# Altium PCB DAC_Sources_REV2.PcbDoc (part 6 of 9)
Units mil, origin at the board's own origin, x right, y up, seen from the top; angles counter-clockwise.
Board outline 10905.51 x 5393.7 mil, 8 copper layers (Top Layer, GND_02, SIG_03, PWR_04, PWR_05, SIG_06, GND_07, Bottom Layer), stack 65.69 mil thick; 663 components, 464 nets, 2338 pads, 2140 vias.
Unrouted connection lines stored in the file: 515.
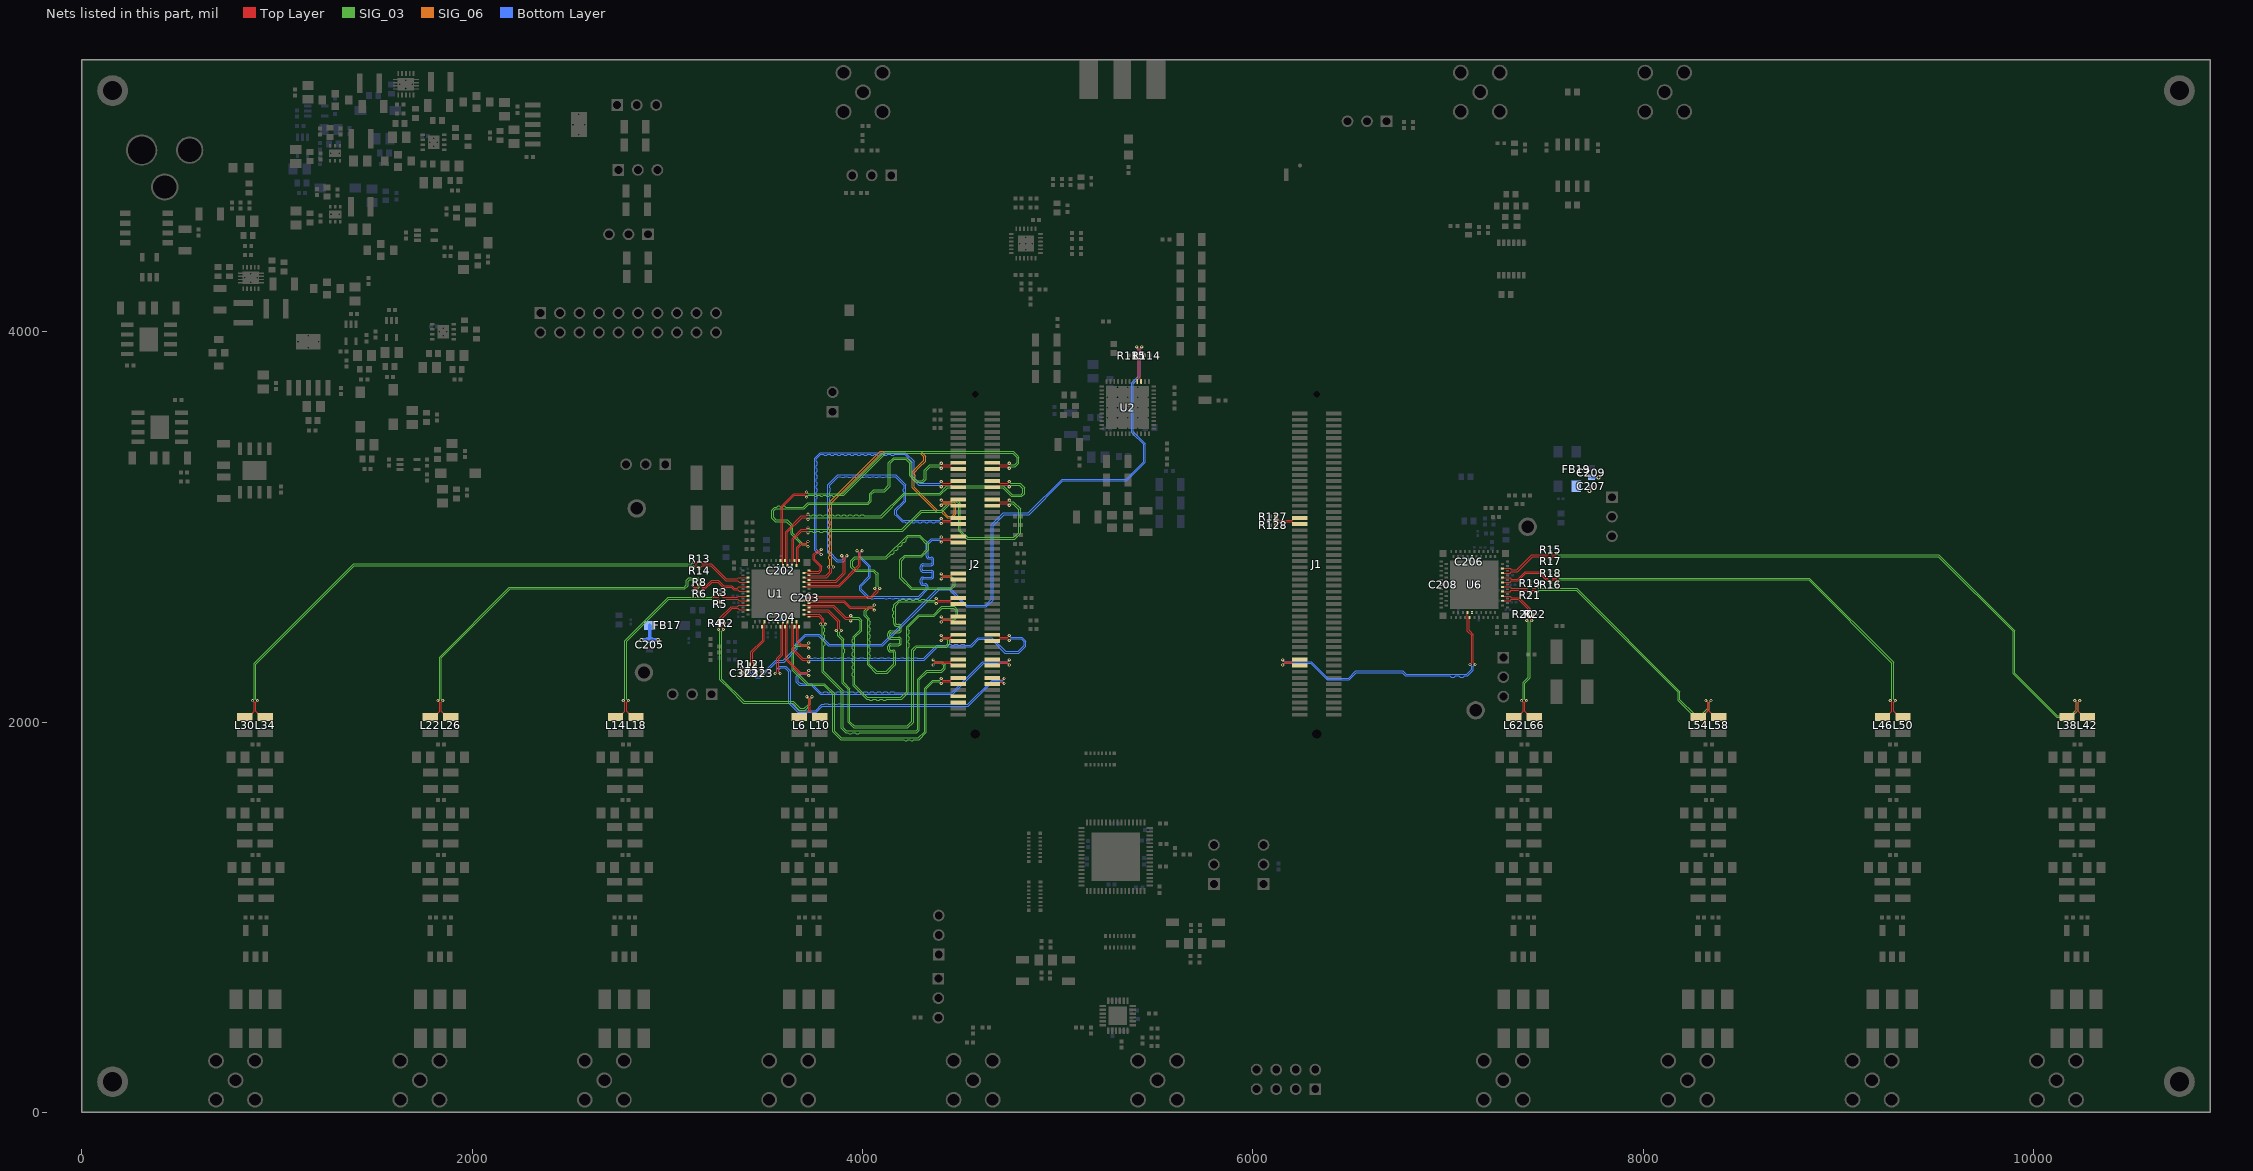
[diagram p12: the nets of this part, all layers, seen from the top]

## Via types
v1: diameter 16, hole 8, Top Layer to Bottom Layer, tented both sides, 1452 vias
v2: diameter 20, hole 10, Top Layer to Bottom Layer, tented both sides, 509 vias
v3: diameter 10, hole 6, Top Layer to Bottom Layer, tented both sides, 65 vias
v4: diameter 23.62, hole 11.81, Top Layer to Bottom Layer, tented top, 59 vias
v5: diameter 24, hole 12, Top Layer to Bottom Layer, tented top, 34 vias
v6: diameter 24, hole 12, Top Layer to Bottom Layer, tented both sides, 15 vias
v7: diameter 23.62, hole 11.81, Top Layer to Bottom Layer, tented both sides, 4 vias
v8: diameter 78.74, hole 39.37, Top Layer to Bottom Layer, tented both sides, 2 vias

## Nets (pads, with @x,y where several pads share a name; then routed paths per layer and width w, separated by ;. In a path a pad name is that pad's centre, name@x,y a point inside that pad or via, vN(x,y) a via of type N, cw(c..) or ccw(c..) an arc to the next point about the centre after c; other vN are vias at no path point) (continued)
GPIO0: J2.94
GPIO1: J2.96
IOUT1A_N: L10.1 R4.2 U1.B38 | length 1224.9
  Top Layer w5: v1(3261.41,2475.2) 3269.91,2483.7 3269.91,2492.69 R4.2@3255.51,2507.09 3269.91,2521.48 3269.91,2533.82 3327.91,2591.82 3358.75,2591.82 3366.06,2599.13 U1.B38@3412.6,2599.13 ; v1(3741.38,2130) 3732.88,2121.5 3732.88,2055.91 3759.29,2029.5 3778.38,2029.5 L10.1@3780.88,2027
  SIG_03 w4: v1(3261.41,2475.2) 3269.91,2466.7 3269.91,2216.97 3313.71,2173.16 3389.97,2096.91 3641.68,2096.91 3671.84,2066.74 3677.11,2061.47 3706.08,2061.47 3732.88,2088.27 3732.88,2119.5 v1@3741.38,2128
IOUT1A_P: L6.2 R2.2 U1.B39 | length 1180.1
  Top Layer w5: v1(3287.41,2475.2) 3278.91,2483.7 3278.91,2492.69 R2.2@3293.31,2507.09 3278.91,2521.48 3278.91,2530.09 3331.64,2582.82 3360.44,2582.82 3367.76,2575.51 U1.B39@3412.6,2575.51 ; L6.2@3675.88,2027 3678.38,2029.5 3697.48,2029.5 3723.88,2055.91 3723.88,2121.5 v1(3715.38,2130)
  SIG_03 w4: v1(3287.41,2475.2) 3278.91,2466.7 3278.91,2220.7 3393.7,2105.91 3645.41,2105.91 3680.84,2070.47 3702.35,2070.47 3723.88,2092 3723.88,2119.5 v1@3715.38,2128
IOUT1B_N: L18.1 R5.2 U1.B37 | length 1159.9
  Top Layer w5: v1(2800.26,2110) 2791.76,2101.5 2791.76,2055.91 2818.17,2029.5 2837.26,2029.5 L18.1@2839.76,2027 ; v1(3235.83,2621.57) 3244.33,2630.07 3259.84,2630.07 3267.58,2622.33 3267.58,2618.17 R5.2@3270.08,2615.67 3284.48,2630.07 3300.21,2630.07 3360.44,2630.07 3367.76,2622.76 U1.B37@3412.6,2622.76
  SIG_03 w4: v1(2800.26,2110) 2791.76,2118.5 2791.76,2414.08 3007.76,2630.07 3227.33,2630.07 v1(3235.83,2621.57)
IOUT1B_P: L14.2 R3.2 U1.B36 | length 1174.8
  Top Layer w5: L14.2@2734.76,2027 2737.26,2029.5 2756.36,2029.5 2782.76,2055.91 2782.76,2101.5 v1(2774.26,2110) ; v1(3235.83,2647.57) 3244.33,2639.07 3259.84,2639.07 3267.58,2646.8 3267.58,2650.96 R3.2@3270.08,2653.46 3284.48,2639.07 3351.18,2639.07 3358.75,2639.07 3366.06,2646.38 U1.B36@3412.6,2646.38
  SIG_03 w4: v1(2774.26,2110) 2782.76,2118.5 2782.76,2417.8 3004.03,2639.07 3227.33,2639.07 v1(3235.83,2647.57)
IOUT1C_N: L26.1 R8.2 U1.B34 | length 2243.3
  Top Layer w5: v1(1850.38,2110) 1841.88,2101.5 1841.88,2055.91 1868.29,2029.5 1887.38,2029.5 L26.1@1889.88,2027 ; v1(3128.74,2700.01) 3137.24,2691.51 3150.56,2691.51 R8.2@3164.96,2705.91 3179.36,2691.51 3191.77,2691.51 3226.59,2726.32 3261.87,2726.32 3288.58,2699.61 3330.8,2699.61 3344.09,2686.31 3358.75,2686.31 3366.06,2693.62 U1.B34@3412.6,2693.62
  SIG_03 w4: v1(1850.38,2110) 1841.88,2118.5 1841.88,2330.07 2194.32,2682.51 3089.99,2682.51 3106.69,2699.21 3106.69,2722.83 3114.17,2730.31 3155.91,2730.31 3158.27,2727.95 3165.35,2720.87 3165.35,2704.72 3152.14,2691.51 3137.24,2691.51 v1(3128.74,2700.01)
IOUT1C_P: L22.2 R6.2 U1.B35 | length 2288
  Top Layer w5: L22.2@1784.88,2027 1787.38,2029.5 1806.48,2029.5 1832.88,2055.91 1832.88,2101.5 v1(1824.38,2110) ; v1(3128.74,2674.01) 3137.24,2682.51 3150.56,2682.51 R6.2@3164.96,2668.11 3179.36,2682.51 3195.5,2682.51 3230.31,2717.32 3258.14,2717.32 3284.85,2690.61 3327.07,2690.61 3340.37,2677.31 3360.44,2677.31 3367.76,2670 U1.B35@3412.6,2670
  SIG_03 w4: v1(1824.38,2110) 1832.88,2118.5 1832.88,2333.8 2185.39,2686.31 2190.59,2691.51 3086.26,2691.51 3097.69,2702.94 3097.69,2726.56 3110.45,2739.31 3159.63,2739.31 3174.35,2724.59 3174.35,2701 3155.87,2682.51 3137.24,2682.51 v1(3128.74,2674.01)
IOUT1D_N: L34.1 R14.2 U1.B33 | length 3093
  Top Layer w5: v1(900.5,2110) 892,2101.5 892,2055.91 918.41,2029.5 937.5,2029.5 L34.1@940,2027 ; v1(3134.25,2793.69) 3142.75,2802.19 3150.56,2802.19 3160.37,2792.38 3161.16,2792.38 3164.96,2788.58 R14.2@3164.96,2787.8 3179.31,2802.14 ; 3179.26,2802.19 3221.69,2802.19 3299.33,2724.56 3360.44,2724.56 3367.76,2717.24 U1.B33@3412.6,2717.24
  SIG_03 w4: v1(900.5,2110) 892,2118.5 892,2297.64 1396.56,2802.19 3125.75,2802.19 v1(3134.25,2793.69)
IOUT1D_P: L30.2 R13.2 U1.B32 | length 3107.9
  Top Layer w5: L30.2@835,2027 837.5,2029.5 856.59,2029.5 883,2055.91 883,2101.5 v1(874.5,2110) ; v1(3134.25,2819.69) 3142.75,2811.19 3150.56,2811.19 3160.37,2821 3161.16,2821 3164.96,2824.8 R13.2@3164.96,2825.59 3179.36,2811.19 3225.42,2811.19 3303.06,2733.56 3358.75,2733.56 3366.06,2740.87 U1.B32@3412.6,2740.87
  SIG_03 w4: v1(874.5,2110) 883,2118.5 883,2301.37 1315.19,2733.56 1357.96,2776.32 1392.83,2811.19 3125.75,2811.19 v1(3134.25,2819.69)
IOUT2A_N: L42.1 R17.2 U6.B38 | length 3659
  Top Layer w5: U6.B38@7278.74,2763.78 7318.11,2763.78 7325.42,2771.09 7356.65,2771.09 7434.29,2848.73 7511.98,2848.73 R17.2@7526.38,2834.33 7528.88,2836.83 7528.88,2844.54 7533.07,2848.73 7548.59,2848.73 v1(7557.09,2840.23) ; v1(10237.44,2110) 10228.94,2101.5 10228.94,2055.91 10255.35,2029.5 L42.1@10274.44,2029.5
  SIG_03 w4: v1(7557.09,2840.23) 7565.59,2848.73 9511.51,2848.73 9895.72,2464.51 9895.72,2247.85 10118.71,2024.86 10193.49,2024.86 10228.94,2060.31 10228.94,2101.5 v1(10237.44,2110)
IOUT2A_P: L38.2 R15.2 U6.B39 | length 3644.1
  Top Layer w5: U6.B39@7278.74,2787.4 7318.11,2787.4 7325.42,2780.09 7352.93,2780.09 7430.56,2857.73 7511.98,2857.73 R15.2@7526.38,2872.13 7528.88,2869.63 7528.88,2861.92 7533.07,2857.73 7548.59,2857.73 v1(7557.09,2866.23) ; L38.2@10174.44,2029.5 10193.54,2029.5 10219.94,2055.91 10219.94,2101.5 v1(10211.44,2110)
  SIG_03 w4: v1(7557.09,2866.23) 7565.59,2857.73 9515.24,2857.73 9904.72,2468.24 9904.72,2251.57 10122.44,2033.86 10189.76,2033.86 10219.94,2064.04 10219.94,2101.5 v1(10211.44,2110)
IOUT2B_N: L50.1 R18.2 U6.B37 | length 2551.6
  Top Layer w5: U6.B37@7278.74,2740.16 7318.11,2740.16 7325.42,2732.85 7357.26,2732.85 7395.67,2771.26 7470.72,2771.26 7503.94,2738.04 7511.98,2738.04 R18.2@7526.38,2752.44 7528.88,2749.94 7528.88,2746.57 7537.4,2738.04 7554.1,2738.04 v1(7562.6,2746.54) ; v1(9292.56,2110) 9284.06,2101.5 9284.06,2055.91 9310.47,2029.5 L50.1@9329.56,2029.5
  SIG_03 w4: v1(7562.6,2746.54) 7571.1,2738.04 8852.24,2738.04 9284.06,2306.22 9284.06,2118.5 v1(9292.56,2110)
IOUT2B_P: L46.2 R16.2 U6.B36 | length 2536.7
  Top Layer w5: U6.B36@7278.74,2716.54 7318.11,2716.54 7325.42,2723.85 7360.98,2723.85 7399.4,2762.26 7466.99,2762.26 7500.21,2729.04 7511.98,2729.04 R16.2@7526.38,2714.65 7528.88,2717.15 7528.88,2720.52 7537.4,2729.04 7554.1,2729.04 v1(7562.6,2720.54) ; L46.2@9229.56,2029.5 9248.66,2029.5 9275.06,2055.91 9275.06,2101.5 v1(9266.56,2110)
  SIG_03 w4: v1(7562.6,2720.54) 7571.1,2729.04 8848.52,2729.04 9275.06,2302.5 9275.06,2118.5 v1(9266.56,2110)
IOUT2C_N: L58.1 R21.2 U6.B34 | length 1549.9
  Top Layer w5: U6.B34@7278.74,2669.29 7318.11,2669.29 7325.42,2676.6 7406.86,2676.6 R21.2@7421.26,2662.2 7423.76,2664.7 7423.76,2666.9 7433.46,2676.6 7447.01,2676.6 v1(7455.51,2668.1) ; v1(8347.68,2110) 8339.18,2101.5 8339.18,2055.91 8365.59,2029.5 L58.1@8384.68,2029.5
  SIG_03 w4: v1(7455.51,2668.1) 7464.01,2676.6 7656.13,2676.6 8179.58,2153.15 8179.58,2110.84 8257.3,2033.13 8305.7,2033.13 8339.18,2066.61 8339.18,2101.5 v1(8347.68,2110)
IOUT2C_P: L54.2 R19.2 U6.B35 | length 1535
  Top Layer w5: U6.B35@7278.74,2692.91 7318.11,2692.91 7325.42,2685.6 7406.86,2685.6 R19.2@7421.26,2700 7423.76,2697.5 7423.76,2695.31 7433.46,2685.6 7447.01,2685.6 v1(7455.51,2694.1) ; L54.2@8284.68,2029.5 8303.78,2029.5 8330.18,2055.91 8330.18,2101.5 v1(8321.68,2110)
  SIG_03 w4: v1(7455.51,2694.1) 7464.01,2685.6 7659.86,2685.6 8188.58,2156.88 8188.58,2114.57 8261.02,2042.13 8301.97,2042.13 8330.18,2070.34 8330.18,2101.5 v1(8321.68,2110)
IOUT2D_N: L66.1 R22.2 U6.B33 | length 795.3
  Top Layer w5: U6.B33@7278.74,2645.67 7318.11,2645.67 7325.42,2638.36 7364.75,2638.36 7421.43,2581.68 7421.43,2568.02 R22.2@7435.83,2553.62 7433.33,2551.12 7428.06,2551.12 7421.43,2544.49 7421.43,2530.23 v1(7429.93,2521.73) ; v1(7402.8,2110) 7394.3,2101.5 7394.3,2055.91 7420.7,2029.5 7439.8,2029.5 L66.1@7442.3,2027
  SIG_03 w4: v1(7402.8,2110) 7394.3,2118.5 7394.3,2199.68 7421.43,2226.81 7421.43,2513.23 v1(7429.93,2521.73)
IOUT2D_P: L62.2 R20.2 U6.B32 | length 780.4
  Top Layer w5: U6.B32@7278.74,2622.05 7318.11,2622.05 7325.42,2629.36 7361.02,2629.36 7412.43,2577.95 7412.43,2568.02 R20.2@7398.03,2553.62 7400.53,2551.12 7405.8,2551.12 7412.43,2544.49 7412.43,2530.23 v1(7403.93,2521.73) ; L62.2@7337.3,2027 7339.8,2029.5 7358.89,2029.5 7385.3,2055.91 7385.3,2101.5 v1(7376.8,2110)
  SIG_03 w4: v1(7376.8,2110) 7385.3,2118.5 7385.3,2203.41 7412.43,2230.54 7412.43,2513.23 v1(7403.93,2521.73)
IOVDD_DAC1: C202.1 C203.1 C204.1 C205.1 FB17.2 U1.A17 U1.B6 U1.B25 | length 225.5
  Bottom Layer w10: v3(3568.11,2514.49) 3580,2526.38 C204.1@3583.07,2526.38 ; v3(3568.11,2801.89) 3581.5,2788.5 C202.1@3581.5,2786.61 ; C203.1@3717.87,2637.8 3718.66,2637.8 3719.96,2639.09 3719.96,2639.88 3725.59,2645.51 v3(3725.59,2658.19)
  Bottom Layer w20: v2(2867.32,2420.47) C205.1@2909.84,2420.47 ; FB17.2@2909.84,2495.67 C205.1@2909.84,2420.47 ; v2(2951.97,2420.08) C205.1@2909.45,2420.08 C205.1@2909.84,2420.47
IOVDD_DAC2: C206.1 C207.1 C208.1 C209.1 FB19.2 U6.A17 U6.B6 U6.B25 | length 83.1
  Bottom Layer w10: C206.1@7108.27,2833.07 7108.27,2833.46 v3(7123.23,2848.43) ; v2(7724.41,3183.46) C207.1@7724.41,3208.66 ; C209.1@7734.65,3254.72 7734.84,3254.53 7770.67,3254.53 v2(7770.87,3254.33)
  other v3: 7123.23,2561.02 6965.75,2704.72
JX1_D0_DAC1_N: J2.19 U1.A27 | length 1823
  Top Layer w5: U1.A27@3579.92,2827.48 3582.34,2829.9 3582.34,2835.39 3582.73,2835.78 3582.73,3106.7 3646.67,3170.63 3704.89,3170.63 v1(3713.39,3179.13) ; J2.19@4664.37,3297.91 4693.9,3297.91 4701.24,3305.26 4701.24,3305.96 4704.44,3309.16 4743.35,3309.16 v1(4751.85,3300.66)
  SIG_03 w4: v1(3713.39,3179.13) 3721.89,3170.63 3834.64,3170.63 3899.77,3170.63 4116.42,3387.28 4773.08,3387.28 4792.19,3368.17 ; v1(4751.85,3300.66) 4760.35,3309.16 4783.65,3309.16 4801.91,3327.42 4801.91,3358.45 4792.19,3368.17
JX1_D0_DAC1_P: J2.17 U1.B24 | length 1820.5
  Top Layer w5: U1.B24@3591.73,2801.89 3591.73,3102.97 3650.39,3161.63 3704.89,3161.63 v1(3713.39,3153.13) ; J2.17@4664.37,3329.41 4693.9,3329.41 4701.24,3322.07 4701.24,3321.2 4704.28,3318.16 4743.35,3318.16 v1(4751.85,3326.66)
  SIG_03 w4: v1(3713.39,3153.13) 3721.89,3161.63 3750.11,3161.63 3755.46,3156.28 3763.89,3156.28 3769.24,3161.63 3781.21,3161.63 3786.56,3156.28 3794.99,3156.28 3800.34,3161.63 3812.31,3161.63 3817.66,3156.28 3826.09,3156.28 3831.44,3161.63 3843.41,3161.63 3848.76,3156.28 3857.19,3156.28 3862.54,3161.63 3903.5,3161.63 4120.14,3378.28 4769.36,3378.28 4779.46,3368.17 ; v1(4751.85,3326.66) 4760.35,3318.16 4779.92,3318.16 4792.91,3331.15 4792.91,3354.72 4785.83,3361.81 4779.46,3368.17
JX1_D1_DAC1_N: J2.25 U1.A26 | length 1732.1
  Top Layer w5: U1.A26@3603.54,2827.48 3605.96,2829.9 3605.96,2835.39 3606.35,2835.78 3606.35,2976.73 3686.82,3057.19 3712.37,3057.19 v1(3720.87,3065.69) ; J2.25@4664.37,3203.42 4693.9,3203.42 4701.24,3210.77 4701.24,3211.48 4704.44,3214.67 4743.35,3214.67 v1(4751.85,3206.17)
  SIG_03 w4: v1(3720.87,3065.69) 3729.37,3057.19 3740.27,3057.19 3745.67,3062.6 3754.33,3062.6 3759.73,3057.19 3771.71,3057.19 3777.06,3062.55 3785.49,3062.55 3790.84,3057.19 3802.81,3057.19 3808.16,3062.55 3816.59,3062.55 3821.94,3057.19 3833.91,3057.19 3839.26,3062.55 3847.69,3062.55 3853.04,3057.19 3865.01,3057.19 3870.36,3062.55 3878.79,3062.55 3884.14,3057.19 3896.12,3057.19 3901.47,3062.55 3909.9,3062.55 3915.25,3057.19 3927.22,3057.19 3932.57,3062.55 3941,3062.55 3946.35,3057.19 3958.32,3057.19 3963.67,3062.55 3972.1,3062.55 3977.45,3057.19 3989.42,3057.19 3994.77,3062.55 4003.2,3062.55 4008.55,3057.19 4093.81,3057.19 4210.57,3173.96 4395.61,3173.96 4432.42,3210.77 4497.11,3210.77 4721.8,3210.77 4741.65,3190.91 4767.21,3165.35 4812.6,3165.35 4822.44,3175.2 4822.44,3196.06 4803.83,3214.67 4760.35,3214.67 v1(4751.85,3206.17)
JX1_D1_DAC1_P: J2.23 U1.B23 | length 1731.6
  Top Layer w5: U1.B23@3615.35,2801.89 3615.35,2973 3690.55,3048.19 3712.37,3048.19 v1(3720.87,3039.69) ; J2.23@4664.37,3234.92 4693.9,3234.92 4701.24,3227.58 4701.24,3226.71 4704.28,3223.67 4743.35,3223.67 v1(4751.85,3232.17)
  SIG_03 w4: v1(3720.87,3039.69) 3729.37,3048.19 4097.54,3048.19 4214.3,3164.96 4399.34,3164.96 4436.15,3201.77 4493.38,3201.77 4718.07,3201.77 4728.93,3190.91 4735.29,3184.55 4763.49,3156.35 4816.33,3156.35 4831.44,3171.47 4831.44,3199.79 4807.56,3223.67 4760.35,3223.67 v1(4751.85,3232.17)
JX1_D2_DAC1_N: J2.31 U1.B22 | length 1841.3
  Top Layer w5: U1.B22@3638.98,2801.89 3638.98,2867.13 3638.98,2940.91 3685.25,2987.19 3712.37,2987.19 v1(3720.87,2995.69) ; J2.31@4664.37,3108.94 4693.9,3108.94 4701.24,3116.28 4701.24,3116.99 4704.44,3120.18 4743.35,3120.18 v1(4751.85,3111.68)
  SIG_03 w4: v1(3720.87,2995.69) 3729.37,2987.19 4201.75,2987.19 4300.34,3085.77 4403.09,3085.77 4456.72,3139.4 4484.83,3139.4 4501.97,3122.26 4501.97,2984.25 4539.76,2946.46 4776.38,2946.46 4801.57,2971.65 4801.57,3088.46 4769.85,3120.18 4760.35,3120.18 v1(4751.85,3111.68)
JX1_D2_DAC1_P: J2.29 U1.A24 | length 1843.5
  Top Layer w5: U1.A24@3650.79,2827.48 3648.37,2829.9 3648.37,2835.39 3647.98,2835.78 3647.98,2937.19 3688.98,2978.19 3712.37,2978.19 v1(3720.87,2969.69) ; J2.29@4664.37,3140.43 4693.9,3140.43 4701.24,3133.09 4701.24,3132.22 4704.28,3129.18 4743.35,3129.18 v1(4751.85,3137.68)
  SIG_03 w4: v1(3720.87,2969.69) 3729.37,2978.19 3741.5,2978.19 3745.67,2974.02 3761.02,2974.02 3765.19,2978.19 3777.33,2978.19 3781.5,2974.02 3796.85,2974.02 3801.02,2978.19 3813.15,2978.19 3817.32,2974.02 3832.68,2974.02 3836.85,2978.19 4205.48,2978.19 4304.07,3076.77 4406.82,3076.77 4460.45,3130.4 4481.11,3130.4 4492.97,3118.54 4492.97,2980.52 4536.04,2937.46 4780.11,2937.46 4810.57,2967.93 4810.57,3072.83 ; v1(4751.85,3137.68) 4760.35,3129.18 4773.58,3129.18 4810.57,3092.19 4810.57,3071.64
JX1_D3_DAC1_N: J2.20 U1.B21 | length 1761.1
  Top Layer w5: U1.B21@3662.6,2801.89 3662.6,2867.13 3662.6,2896.59 3683.19,2917.18 3712.37,2917.18 v1(3720.87,2925.68) ; v1(4403.66,3300.66) 4412.16,3309.16 4451.08,3309.16 4454.27,3305.96 4454.27,3305.26 4461.61,3297.91 J2.20@4491.14,3297.91
  SIG_03 w4: v1(3720.87,2925.68) 3712.37,2917.18 3692.52,2917.18 3642.86,2966.84 3642.86,3008.45 3614.3,3037.01 3556.3,3037.01 3544.68,3048.63 3544.68,3083.19 3554.85,3093.36 3700.87,3093.36 3723.65,3116.14 3995.01,3116.14 4029.66,3116.14 4046.06,3132.55 4046.06,3167.32 4060.29,3181.55 4114.41,3181.55 4142.13,3209.26 4142.13,3325.98 4162.8,3346.66 4222.91,3346.66 4241.79,3327.78 4241.79,3261.63 4274.62,3228.8 4310.81,3228.8 4325.98,3243.97 4325.98,3287.8 4347.35,3309.16 4395.16,3309.16 v1(4403.66,3300.66)
JX1_D3_DAC1_P: J2.18 U1.A23 | length 1762.1
  Top Layer w5: U1.A23@3674.41,2827.48 3671.99,2829.9 3671.99,2835.39 3671.6,2835.78 3671.6,2892.86 3686.92,2908.18 3712.37,2908.18 v1(3720.87,2899.68) ; v1(4403.66,3326.66) 4412.16,3318.16 4451.23,3318.16 4454.27,3321.2 4454.27,3322.07 4461.61,3329.41 J2.18@4491.14,3329.41
  SIG_03 w4: v1(3720.87,2899.68) 3712.37,2908.18 3688.79,2908.18 3633.86,2963.11 3633.86,3004.72 3610.57,3028.01 3552.57,3028.01 3535.68,3044.9 3535.68,3086.92 3551.12,3102.36 3561.42,3102.36 3567.72,3108.66 3574.41,3108.66 3580.71,3102.36 3586.61,3102.36 3592.91,3108.66 3599.61,3108.66 3605.91,3102.36 3697.14,3102.36 3719.92,3125.14 4025.93,3125.14 4037.06,3136.28 4037.06,3171.05 4056.56,3190.55 4110.69,3190.55 4133.13,3212.99 4133.13,3329.71 4159.07,3355.66 4226.63,3355.66 4250.79,3331.51 4250.79,3265.35 4278.35,3237.8 4307.09,3237.8 4316.98,3247.69 4316.98,3291.52 4343.62,3318.16 4395.16,3318.16 v1(4403.66,3326.66)
JX1_D4_DAC1_N: J2.26 U1.A22 | length 1627.8
  Top Layer w5: U1.A22@3725.59,2776.3 3728.01,2773.88 3733.05,2773.88 3733.89,2773.04 3775.48,2773.04 3783.46,2781.01 3783.46,2795.94 3747.69,2831.71 3747.69,2859.24 3765.01,2876.56 3780.48,2876.56 v1(3788.98,2885.06) ; v1(4403.66,3206.17) 4412.16,3214.67 4451.08,3214.67 4454.27,3211.48 4454.27,3210.77 4461.61,3203.42 J2.26@4491.14,3203.42
  Bottom Layer w5: v1(3788.98,2885.06) 3780.48,2876.56 3772.35,2876.56 3764.17,2884.73 3764.17,3143.7 3768.5,3148.03 3768.5,3160.24 3764.17,3164.57 3764.17,3177.95 3768.5,3182.28 3768.5,3194.49 3764.17,3198.82 3764.17,3212.2 3768.5,3216.54 3768.5,3228.74 3764.17,3233.07 3764.17,3246.46 3768.5,3250.79 3768.5,3262.99 3764.17,3267.32 3764.17,3280.71 3768.5,3285.04 3768.5,3297.24 3764.17,3301.57 3764.17,3314.96 3768.5,3319.29 3768.5,3331.5 3764.17,3335.83 3764.17,3349.21 3786.61,3371.65 3799.61,3371.65 3803.94,3367.32 3817.32,3367.32 3821.65,3371.65 3833.86,3371.65 3838.19,3367.32 3851.57,3367.32 3855.91,3371.65 3868.11,3371.65 3872.44,3367.32 3885.83,3367.32 3890.16,3371.65 3902.36,3371.65 3906.69,3367.32 3920.08,3367.32 3924.41,3371.65 3936.61,3371.65 3940.94,3367.32 3954.33,3367.32 3958.66,3371.65 3970.87,3371.65 3975.2,3367.32 3988.58,3367.32 3992.91,3371.65 4005.12,3371.65 4009.45,3367.32 4022.83,3367.32 4027.17,3371.65 4039.37,3371.65 4043.7,3367.32 4057.09,3367.32 4061.42,3371.65 4073.62,3371.65 4077.95,3367.32 4091.34,3367.32 4095.67,3371.65 4107.87,3371.65 4112.2,3367.32 4125.59,3367.32 4129.92,3371.65 4142.13,3371.65 4146.46,3367.32 4159.84,3367.32 4164.17,3371.65 4216.54,3371.65 4255.57,3332.62 4255.57,3247.85 4288.74,3214.67 4395.16,3214.67 v1(4403.66,3206.17)
JX1_D4_DAC1_P: J2.24 U1.B20 | length 1623.2
  Top Layer w5: U1.B20@3700,2764.49 3702.42,2766.91 3713.08,2766.91 3715.96,2764.04 3779.21,2764.04 3792.46,2777.29 3792.46,2799.66 3756.69,2835.43 3756.69,2855.51 3768.74,2867.56 3780.48,2867.56 v1(3788.98,2859.06) ; v1(4403.66,3232.17) 4412.16,3223.67 4451.23,3223.67 4454.27,3226.71 4454.27,3227.58 4461.61,3234.92 J2.24@4491.14,3234.92
  Bottom Layer w5: v1(3788.98,2859.06) 3780.48,2867.56 3768.62,2867.56 3755.17,2881 3755.17,3352.94 3782.89,3380.65 4220.26,3380.65 4222.9,3378.02 4264.57,3336.35 4264.57,3251.57 4292.47,3223.67 4395.16,3223.67 v1(4403.66,3232.17)
JX1_D5_DAC1_N: J2.32 U1.A21 | length 1811.8
  Top Layer w5: U1.A21@3725.59,2752.68 3728.01,2750.26 3733.5,2750.26 3733.89,2749.87 3812.5,2749.87 3833.5,2770.87 3833.5,2786.5 v1(3825,2795) ; v1(4403.66,3111.68) 4412.16,3120.18 4451.08,3120.18 4454.27,3116.99 4454.27,3116.28 4461.61,3108.94 J2.32@4491.14,3108.94
  SIG_06 w4: v1(3825,2795) 3833.5,2803.5 3833.5,2831.46 3827.17,2837.8 3827.17,2847.64 3833.5,2853.97 3833.5,2861.78 3827.17,2868.11 3827.17,2877.95 3833.5,2884.29 3833.5,2892.09 3827.17,2898.43 3827.17,2908.27 3833.5,2914.6 3833.5,2922.41 3827.17,2928.74 3827.17,2938.58 3833.5,2944.92 3833.5,2952.72 3827.17,2959.06 3827.17,2968.9 3833.5,2975.23 3833.5,2983.04 3827.17,2989.37 3827.17,2999.21 3833.5,3005.55 3833.5,3013.35 3827.17,3019.69 3827.17,3029.53 3833.5,3035.86 3833.5,3043.67 3827.17,3050 3827.17,3059.84 3833.5,3066.18 3833.5,3073.98 3827.17,3080.32 3827.17,3090.16 3833.5,3096.49 3833.5,3128.91 3836.14,3131.54 4091.94,3387.35 4299.21,3387.35 4323.21,3363.35 4323.21,3337.39 4294.09,3308.27 4264.57,3278.74 4264.57,3270.94 4270.9,3264.6 4270.9,3254.76 4264.57,3248.43 4264.57,3203.94 4384.01,3084.49 4408.82,3084.49 4415.41,3077.9 4418.05,3075.26 4424.41,3068.9 4437.8,3055.51 4457.48,3055.51 4470.08,3068.11 4470.08,3112.99 4462.89,3120.18 4412.16,3120.18 v1(4403.66,3111.68)
JX1_D5_DAC1_P: J2.30 U1.B19 | length 1813.7
  Top Layer w5: U1.B19@3700,2740.87 3765.24,2740.87 3816.23,2740.87 3842.5,2767.14 3842.5,2786.5 v1(3851,2795) ; v1(4403.66,3137.68) 4412.16,3129.18 4451.23,3129.18 4454.27,3132.22 4454.27,3133.09 4461.61,3140.43 J2.30@4491.14,3140.43
  SIG_06 w4: v1(3851,2795) 3842.5,2803.5 3842.5,3125.18 4095.67,3378.35 4295.49,3378.35 4314.21,3359.62 4314.21,3341.12 4255.57,3282.47 4255.57,3200.21 4349.82,3105.96 4380.28,3075.49 4405.09,3075.49 4411.68,3068.9 4418.05,3062.53 4434.07,3046.51 4461.21,3046.51 4479.08,3064.38 4479.08,3116.72 4466.61,3129.18 4412.16,3129.18 v1(4403.66,3137.68)